# Altium PCB KIPGRDMCU.PcbDoc (part 2 of 2)
Units mm, origin at the board's own origin, x right, y up, seen from the top; angles counter-clockwise.
Board outline 110 x 75 mm, 4 copper layers (Top Layer, Layer 2, Layer 3, Bottom Layer), stack 1.513 mm thick; 117 components, 77 nets, 394 pads, 190 vias.
Unrouted connection lines stored in the file: 1.
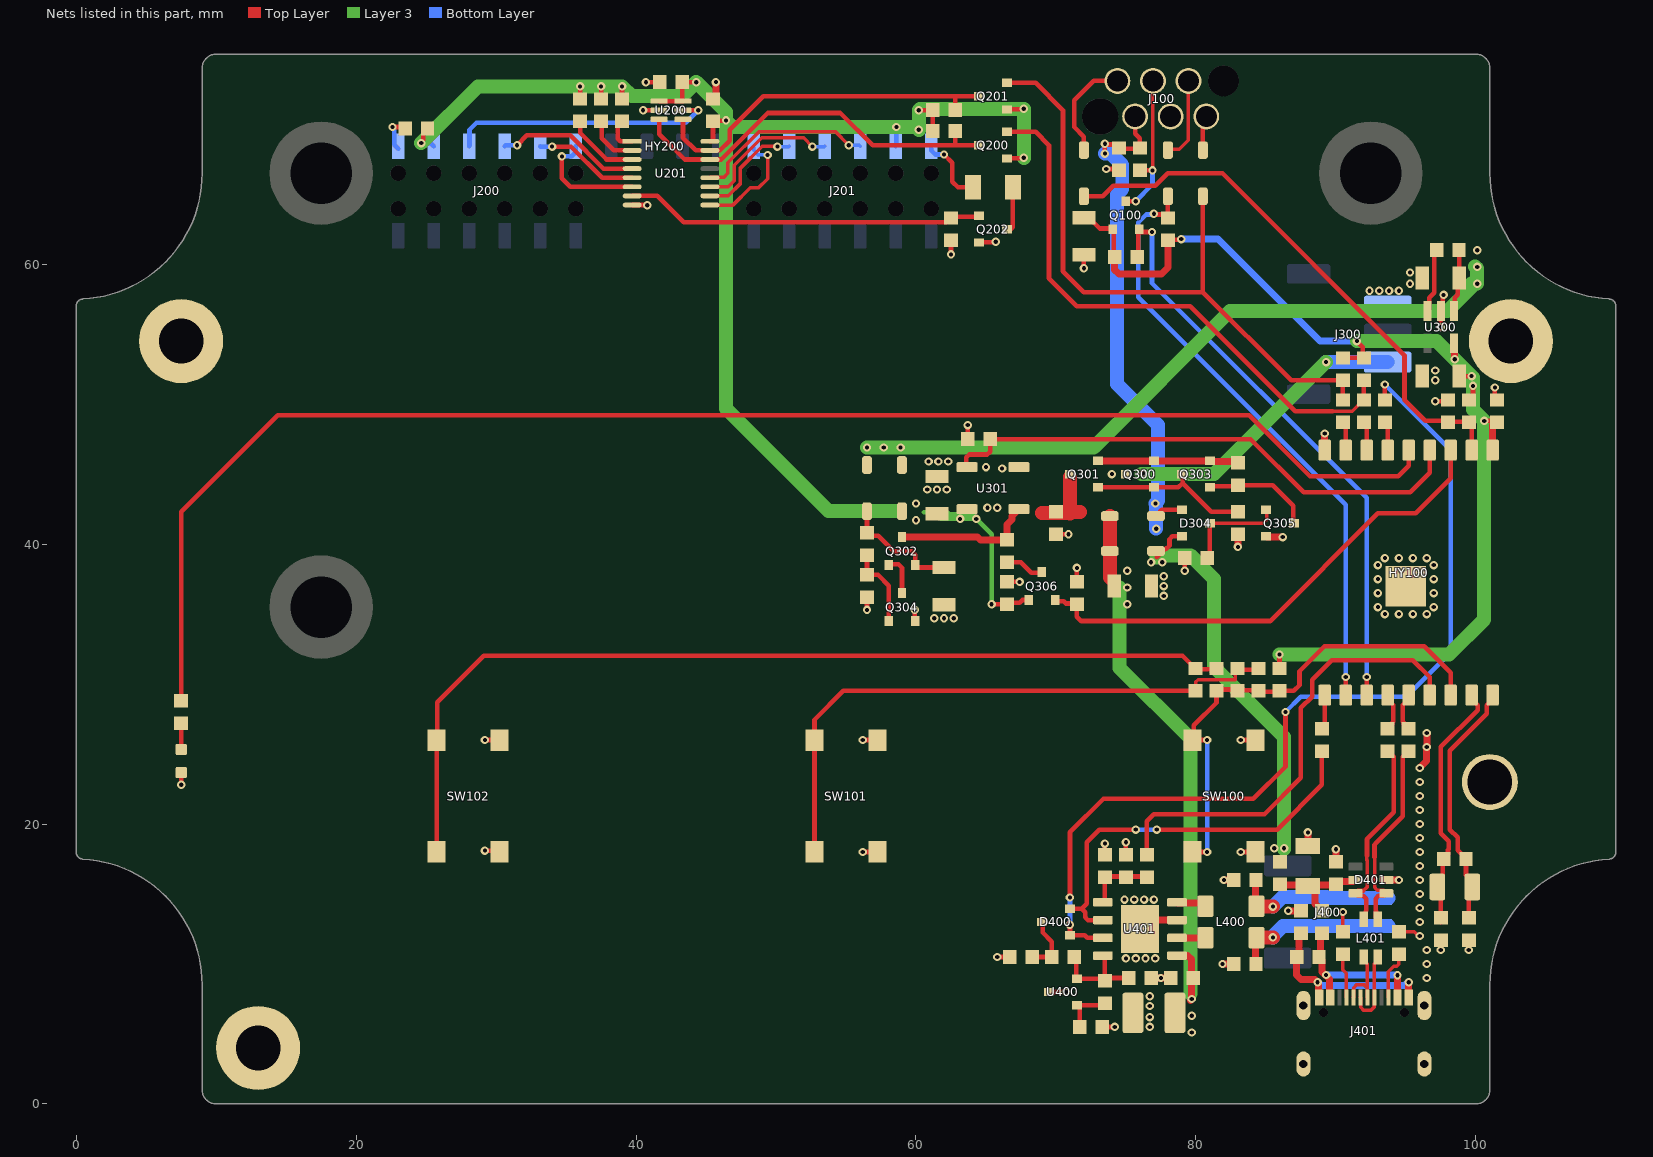
[diagram p4: the nets of this part, all layers, seen from the top]

## Part data (continued)
U300: library part CMP-019-00081-3, "Linear Voltage Regulator IC Positive Fixed 1 Output 1A SOT-25-5", Case/Package=SOT-23-5, Max Input Voltage=6V, Min Input Voltage=4V, Output Current=1A, Output Voltage=3.3V
U301: library part CMP-019-00086-6, "LDO Regulator Pos 5V 0.5A Automotive 6-Pin(5+Tab) SOT-89 T/R", Case/Package=SOT-89-5, Dropout Voltage=225mV, Max Input Voltage=24V, Min Input Voltage=4V, Nominal Output Voltage=5V, Output Current=500mA, Output Type=Fixed, Output Voltage=5V
U400: library part CMP-019-00078-4, "Adjustable Shunt Voltage Reference 1.24 - 16V; +/-0.5%; 3-Pin SOT-23", Case/Package=SOT-23-3, Cathode Current=80uA, Max Input Voltage=18V, Max Operating Temperature=85°C, Max Output current=20mA, Max Output Voltage=16V, Min Operating Temperature=-40°C, Min Output Voltage=1.24V, Package Quantity=3000, Tolerance=0.5%, Accuracy=0.5%, Halogen Free="Halogen Free", Height=1.01mm, Lead Free="Lead Free", Length=3.04mm, Mount="Surface Mount", Number of Channels=1, Number of Pins=3, Output Current=20mA, Output Type=Adjustable, Output Voltage=16V, Output voltage (max)=16V, Packaging="Tape and Reel", Radiation Hardening=No, Reach SVHC Compliant=Yes, Reference Type=Shunt,Adjustable, Reference Voltage=1.24V, RoHS Compliant=Yes, Series=-, Sink current=20mA, Width=1.4mm
U401: library part CMP-001-0029-2, "35-V, 3.7-A H-bridge motor driver with integrated current regulation & current-sense feedback 8-SO PowerPAD -40 to 150"
Y100: library part CMP-030-000070-2, "WE-XTAL Watch Crystal, SMT, CFPX-217, 32.768kHz, +/-20ppm", Frequency=32.768kHz, Frequency Stability=-, Frequency Tolerance=+/-20ppm, Load Capacitance=12.5pF, Manufacturer="Wurth Elektronik", Operating Temperature="-40 to +85degC", Component Type=Standard, ComponentLink1Description=Manufacturer, ComponentLink1URL=http://www.we-online.de, ComponentLink2Description=Datasheet, ComponentLink2URL=https://katalog.we-online.com/pbs/datasheet/830009678.pdf, Design Item ID=830009678, Manufacturer Part Number=830009678, Mounting Technology=SMT, Packaging="Tape and Reel", Pin Count=2, Published Date="July 2020", Size=CFPX-217, Source=WE-XTAL_CFPX-217.SchLib

## Free pads (board coordinates)
  round 6 hole 3.2: 1(7.5,54.5) 4(102.5,54.5) 5(13,4)
  round 4 hole 3.2: 6(101,23)

## Via types
v1: diameter 0.6, hole 0.3, Top Layer to Bottom Layer, tented both sides, 190 vias

## Nets (pads, with @x,y where several pads share a name; then routed paths per layer and width w, separated by ;. In a path a pad name is that pad's centre, name@x,y a point inside that pad or via, vN(x,y) a via of type N, cw(c..) or ccw(c..) an arc to the next point about the centre after c; other vN are vias at no path point)
+2V25: C401.1 R400.1 R401.2 U400.2 U401.4 | length 7.5
  Top Layer w0.33: R400.1@71.3,10.5 71.45,10.5 71.45,8.95 R401.2@73.5,8.95 ; U401.4@73.35,10.595 73.5,10.595 R401.2@73.5,9 ; R401.2@73.5,8.8 R401.2@73.5,8.95 ; C401.1@75.3,9 R401.2@73.5,9 ; R401.2@73.5,8.95 R401.2@73.5,9
+3V3: C100.2 C101.2 C301.1 HY100.1 Q100.1 R100.2 R101.2 R110.2 R114.2 R115.2 R116.2 U300.5 | length 80.4
  Top Layer w0.33: C301.1@72,63.325 72.35,63.325 73.125,62.55 74.05,62.55 74.125,62.475 74.125,60.575 R115.2@74.2,60.5 ; R114.2@78,61.7 78.045,61.745 78.905,61.745 v1(78.95,61.791) ; R110.2@85.969,31.111 v1(85.969,32.111) ; R116.2@90.5,53.3 R100.2@91.9,53.3 ; v1(91.5,54.5) 91.923,54.077 91.923,53.377 R100.2@92,53.3 ; C100.2@98.827,52.073 98.9,52 v1(99.7,52) ; R101.2@99.5,50.3 99.8,50.6 v1(99.8,51.3) ; v1(100.6,48.8) C101.2@101.5,48.8
  Top Layer w0.5: R115.2@74.2,60.5 74.2,59.593 74.493,59.3 77.551,59.3 78,59.749 R114.2@78,61.7 ; U300.5@98.45,54.349 98.481,54.319 98.481,53.219 v1(98.5,53.2) ; HY100.1@101.2,46.71 C101.2@101.2,48.5
  Layer 3 w1: v1(85.969,32.111) 98.084,32.111 100.6,34.627 v1(100.6,48.8) 99.8,49.6 v1(99.8,51.3) 99.8,51.891 98.5,53.191 v1(98.5,53.2) 97.2,54.5 v1(91.5,54.5)
  Bottom Layer w0.5: v1(78.95,61.791) 81.58,61.791 88.871,54.5 v1(91.5,54.5)
+5V: C200.2 C201.2 C202.2 C305.1 D301.2 HY200.2 HY200.15 J200.3 J201.9 Q200.1 Q201.1 Q306.1 R200.2 R201.2 R202.2 R203.2 R204.2 R308.1 U200.1 U200.6 U201.16 U301.5 | length 123.9
  Top Layer w0.33: v1(24.652,68.652) 24.652,68.725 24.79,68.863 24.79,69.39 C202.2@25.1,69.7 ; R202.2@36,71.8 v1(36,72.7) ; R203.2@37.5,71.8 v1(37.5,72.7) ; R204.2@39,71.8 v1(39,72.7) ; U200.1@41.649,71.65 U200.6@43.321,71.65 ; U200.6@43.351,71.65 U200.6@43.321,71.65 ; v1(44.3,73) C201.2@43.3,73 43.3,71.671 U200.6@43.321,71.65 ; U201.16@45.275,68.775 45.495,68.775 45.5,68.78 C200.2@45.5,70.2 45.535,70.235 46.395,70.235 v1(46.43,70.27) ; v1(60.2,71) R200.2@61.2,71 R201.2@61.2,69.5 ; v1(65.4,35.7) R308.1@66.5,35.7 66.607,35.807 67.4,35.807 67.593,36 Q306.1@68.05,36 ; Q200.1@66.45,67.55 66.475,67.575 67.675,67.575 v1(67.7,67.6) ; Q201.1@66.45,71.05 66.475,71.075 67.675,71.075 v1(67.7,71.1)
  Layer 3 w0.33: 60.575,42.275 61.4,42.275 61.975,42.275 62.225,42.275 62.7,41.8 ; 62.225,42.125 63.972,42.125 64.297,41.8 v1(64.3,41.8) ; v1(65.4,35.7) 65.4,40.7 v1(64.3,41.8) ; 62.3,41.8 62.7,41.8 ; 62.3,41.8 61.725,41.8 61.4,42.125 61.975,42.125 62.3,41.8 ; 62.7,41.8 v1(63.15,41.8) v1(64.3,41.8)
  Layer 3 w1: v1(24.652,68.652) 28.7,72.7 v1(37.5,72.7) v1(39,72.7) 39.7,72 43.3,72 v1(44.3,73) 46.43,70.87 v1(46.43,70.27) ; 58.66,42.35 53.75,42.35 46.43,49.67 v1(46.43,70.27) ; v1(67.7,67.6) v1(67.7,71.1) 60.3,71.1 v1(60.2,71) v1(60.2,69.6) 60,69.8 v1(58.6,69.8) 46.9,69.8 v1(46.43,70.27)
  Bottom Layer w0.33: v1(24.652,68.652) 25.318,68.652 HY200.2@25.54,68.43 ; HY200.15@58.56,68.43 58.58,68.45 58.58,69.78 v1(58.6,69.8)
  other v1: 60,41.7 60,42.9
BT: Q202.1 R206.2 U201.7 | length 25.8
  Top Layer w0.33: U201.7@39.725,64.875 41.525,64.875 43.409,62.991 62.191,62.991 R206.2@62.5,63.3 62.575,63.375 64.475,63.375 Q202.1@64.55,63.45
CC1: J401.A5 R405.2 | length 3.1
  Top Layer w0.25: R405.2@90.5,10.6 90.5,9.6 90.75,9.35 J401.A5@90.75,7.605
CC2: J401.B5 R404.2 | length 3.3
  Top Layer w0.25: J401.B5@93.75,7.605 93.75,9.434 94.141,9.825 94.354,9.825 94.5,9.971 R404.2@94.5,10.5
CONTRAST: HY200.3 J200.5 U200.5 | length 19.2
  Top Layer w0.33: U200.5@43.351,71 43.352,70.999 44.44,70.999 v1(44.441,70.998)
  Bottom Layer w0.33: HY200.3@28.08,68.43 28.1,68.45 28.1,69.6 28.6,70.1 43.544,70.1 v1(44.441,70.998)
D4: HY200.11 J201.1 U201.9 | length 8
  Top Layer w0.25: U201.9@45.275,64.225 46.925,64.225 48.15,65.45 48.75,65.45 49.4,66.1 v1(49.4,67.8)
  Bottom Layer w0.25: HY200.11@48.4,68.43 48.4,68.125 48.725,67.8 v1(49.4,67.8)
D5: HY200.12 J201.3 U201.10 | length 7.8
  Top Layer w0.25: U201.10@45.275,64.875 46.575,64.875 47.46,65.76 47.46,66.874 49.011,68.425 50.075,68.425 v1(50.1,68.4)
  Bottom Layer w0.25: v1(50.1,68.4) 50.91,68.4 HY200.12@50.94,68.43
D6: HY200.13 J201.5 U201.11 | length 10.6
  Top Layer w0.25: U201.11@45.275,65.525 46.589,65.525 47.01,65.946 47.01,67.06 48.975,69.025 51.975,69.025 v1(52.6,68.4)
  Bottom Layer w0.25: v1(52.6,68.4) 53.45,68.4 HY200.13@53.48,68.43
D7: HY200.14 J201.7 U201.12 | length 13
  Top Layer w0.25: U201.12@45.275,66.175 45.293,66.192 46.252,66.192 46.56,66.5 46.56,67.246 48.788,69.475 54.225,69.475 v1(55.2,68.5)
  Bottom Layer w0.25: v1(55.2,68.5) 55.95,68.5 HY200.14@56.02,68.43
E: HY200.6 J200.11 U201.6 | length 8.4
  Top Layer w0.33: v1(34.7,67.7) 34.7,66.13 35.305,65.525 U201.6@39.725,65.525
  Bottom Layer w0.33: v1(34.7,67.7) 35.415,67.7 35.7,67.985 HY200.6@35.7,68.43
EN5V: HY100.4 R307.1 U301.4 | length 38.6
  Top Layer w0.33: U301.4@63.6,45.5 63.6,46.207 63.793,46.4 65.1,46.4 65.3,46.6 R307.1@65.3,47.5 83.9,47.5 87.7,43.7 95.3,43.7 96.7,45.1 HY100.4@96.7,46.71
GND: C100.1 C101.1 C102.1 C105.1 C106.1 C107.1 C200.1 C201.1 C202.1 C300.2 C301.2 C302.1 C303.2 C304.2 C305.2 C400.2 C401.2 C402.1 C403.2 C404.1 C405.1 C406.1 C408.1 C409.1 D100.1 D401.2 FB402.2 HY100.0 HY100.9 HY200.1 J100.4 J200.1 J300.3 J401.S1 J401.S2 J401.S3 J401.S4 pad.1 pad.4 pad.5 pad.6 Q202.2 Q304.2 Q305.2 R206.1 R303.1 R304.1 R305.1 R307.2 R308.2 R309.2 R402.1 R403.1 R404.1 R405.1 SW100.B1 SW100.B2 SW101.B1 SW101.B2 SW102.B1 SW102.B2 U200.2 U201.8 U300.2 U301.2 U301.3 U400.3 U401.7 U401.9 | length 54.6
  Top Layer w0.25: R405.1@90.5,12.3 v1(90.5,13.712) ; R404.1@94.6,12.3 95.605,12.3 95.905,12 v1(96,12)
  Top Layer w0.33: v1(7.5,22.8) D100.1@7.5,23.675 ; v1(22.6,69.8) 23.4,69.8 C202.1@23.5,69.7 ; v1(29.2,18.1) 30.175,18.1 SW102.B1@30.25,18.025 ; v1(29.2,26) 30.225,26 SW102.B2@30.25,25.975 ; U201.8@39.725,64.225 39.727,64.223 40.787,64.223 v1(40.8,64.21) ; v1(40.5,71) U200.2@41.649,71 ; v1(40.7,73) C201.1@41.7,73 ; v1(56.2,18) 57.225,18 SW101.B1@57.25,18.025 ; v1(56.2,26) 57.225,26 SW101.B2@57.25,25.975 ; v1(56.5,35.3) R303.1@56.5,36.2 ; v1(59.9,35.3) 59.925,35.275 59.925,34.525 Q304.2@59.95,34.5 ; v1(62.5,60.7) R206.1@62.5,61.7 ; R307.2@63.7,47.5 v1(63.7,48.5) ; Q202.2@64.55,61.55 64.575,61.575 65.675,61.575 v1(65.7,61.6) ; v1(65.8,10.5) C400.2@66.7,10.5 ; R308.2@66.5,37.3 v1(67.4,37.3) ; U400.3@69.55,8 v1(70.7,8) ; C304.2@70,40.7 v1(70.9,40.7) ; R309.2@71.5,37.3 v1(71.5,38.3) ; v1(72,59.7) C301.2@72,60.675 ; R402.1@73.3,5.5 v1(74.2,5.5) ; C404.1@73.5,17.7 v1(73.5,18.6) ; v1(73.6,66.8) C105.1@74.5,66.8 ; R403.1@75,17.8 v1(75,18.7) ; v1(79.2,38.1) R305.1@79.2,39 ; v1(83.2,18) 83.765,18 SW100.B1@84.25,18.025 ; v1(83.2,26) 84.225,26 SW100.B2@84.25,25.975 ; v1(97.1,50.2) C102.1@98,50.2 ; v1(97.5,11) C106.1@97.5,11.8 ; v1(97.5,55.5) U300.2@97.5,56.651 97.623,56.773 97.623,57.65 97.7,57.727 v1(97.7,57.8) ; v1(99.5,11) C107.1@99.5,11.8 ; pad.4@101.1,53.5 pad.4@101.1,54.3 ; v1(101.362,51.19) 101.362,50.61 C101.1@101.5,50.2
  Top Layer w0.5: C200.1@45.5,71.8 45.707,72.025 v1(45.707,73.007) ; U401.9@76.5,13.1 76.535,13.135 U401.7@78.65,13.135 ; C401.2@76.7,9 v1(77.5,9) C403.2@78.3,9 ; v1(81.9,10) C406.1@82.8,10 ; v1(82,16) C405.1@82.8,16 ; v1(83,39.8) R304.1@83,40.7 ; Q305.2@85.05,40.55 85.081,40.519 86.181,40.519 v1(86.2,40.5) ; v1(86.6,13.8) FB402.2@87.5,13.8 ; C408.1@88,18.425 v1(88,19.4) ; HY100.9@89.2,46.71 v1(89.2,47.9) ; C409.1@90,17.3 v1(90,18.2) ; D401.2@93.6,16 v1(94.5,16) ; v1(96,24) 96,24.027 96.481,24.508 96.481,25.481 v1(96.5,25.5) v1(96.5,26.5) ; C100.1@96.187,51.713 C100.1@96.342,51.558 ; v1@97.073,51.7 v1(97.1,51.7)
  Bottom Layer w0.33: v1(22.6,69.8) 22.6,69.727 22.715,69.612 22.715,68.519 HY200.1@23,68.234
  other v1: 76.7,5.5 76.7,6.2 76.7,7 76.7,7.7 96.5,9 96.5,10 75,10.4 75.7,10.4 76.4,10.4 77.1,10.4 96.5,11 96,13 96,14 74.9,14.6 75.6,14.6 76.3,14.6 77,14.6 96,15 96,16 96,17 96,18 96,19 96,20 96,21 96,22 96,23 61.3,34.7 62,34.7 62.7,34.7 93.5,35 94.5,35 95.5,35 96.5,35 93,35.5 97,35.5 77.7,36.3 93,36.5 97,36.5 77.7,37 93,37.5 97,37.5 77.7,37.7 93,38.5 97,38.5 93.5,39 94.5,39 95.5,39 96.5,39 65.1,42.6 65.8,42.6 60.8,43.9 61.5,43.9 62.2,43.9 66.15,45.4 65,45.5 60.9,45.9 61.6,45.9 62.3,45.9 97.1,52.4 92.4,58.1 93.1,58.1 93.8,58.1 94.5,58.1 95.3,58.6 95.3,59.4
I2C.SCL: Q200.2 R100.1 R105.2 | length 41.3
  Top Layer w0.25: 89.784,49.494 89.79,49.5 91.175,49.5 91.975,50.3 R105.2@92,50.3
  Top Layer w0.33: Q200.2@66.45,69.45 68.55,69.45 69.5,68.5 69.5,59 71.5,57 79.6,57 87.106,49.494 89.784,49.494 ; R105.2@92,50.3 R100.1@92,51.7 R100.1@92.1,51.8
I2C.SDA: D103.2 Q201.2 R106.2 R116.1 | length 47.8
  Top Layer w0.33: Q201.2@66.45,72.95 68.55,72.95 70.5,71 70.5,59.5 72,58 80.5,58 ; D103.2@80.5,64.9 D103.2@80.5,64.85 80.5,58 ; R106.2@90.5,50.3 R116.1@90.5,51.6 ; R116.1@90.5,51.7 86.8,51.7 80.5,58
MOTOR.IN1: D400.1 R104.2 U401.3 | length 66.8
  Top Layer w0.33: v1(71,12.8) 71,12.1 70.95,12.05 72.05,12.05 72.235,11.865 U401.3@73.35,11.865 ; v1(71,14.75) 71,19.4 73.4,21.8 84.1,21.8 86.4,24.1 v1(86.4,28) ; R104.2@93.5,50.3 v1(93.5,51.4)
  Bottom Layer w0.33: v1(71,12.8) v1(71,14.75) ; v1(86.4,28) 87.5,29.1 95.04,29.1 98.2,32.26 98.2,46.7 v1(93.5,51.4)
MOTOR.IN2: D400.2 R107.2 U401.2 | length 28.7
  Top Layer w0.33: D400.2@70.95,13.95 71.85,13.95 ; U401.2@73.35,13.135 72.293,13.135 72.1,13.328 72.1,13.7 71.85,13.95 ; v1(75.7,19.6) 73.1,19.6 72.2,18.7 72.2,14.3 71.85,13.95 ; v1(77.2,19.6) 85.8,19.6 89,22.8 R107.2@89,25.2
  Bottom Layer w0.33: v1(75.7,19.6) v1(77.2,19.6)
MOTOR_GATE: Q300.1 Q301.1 Q303.3 R304.2 | length 11.8
  Top Layer w0.33: Q301.1@72.88,44.12 72.95,44.05 76.95,44.05 78.75,44.05 79.05,44.35 ; Q303.3@79.05,45 79.05,44.35 ; R304.2@83,42.3 81.1,42.3 79.05,44.35
NetC103_2: C103.2 R111.1 R112.2 SW101.A1 SW101.A2 | length 43.4
  Top Layer w0.25: R112.2@79.969,29.511 80,29.541 80,30.154 80.157,30.311 82.823,30.311 82.823,30.964 C103.2@82.969,31.111
  Top Layer w0.33: SW101.A1@52.75,18.025 SW101.A2@52.75,25.975 52.75,27.45 54.811,29.511 R112.2@79.969,29.511 ; C103.2@82.969,31.011 84.369,31.011 R111.1@84.469,31.111
NetC104_2: C104.2 R112.1 SW102.A1 SW102.A2 | length 68.2
  Top Layer w0.33: SW102.A1@25.75,18.025 SW102.A2@25.75,25.975 25.8,26.025 25.8,28.7 29.111,32.011 79.044,32.011 79.944,31.111 R112.1@79.969,31.111 80.019,31.061 81.419,31.061 C104.2@81.469,31.011
NetC300_1: C300.1 D300.1 D301.1 R301.1 U300.1 | length 53.8
  Top Layer w0.33: U300.1@98.45,56.651 98.5,56.701 98.5,57.6 98.7,57.8 98.7,58.5 C300.1@98.9,58.7 ; R301.1@98.8,61 98.812,60.988 98.812,59.187 C300.1@99,59
  Layer 3 w1: v1(56.5,46.9) v1(57.7,46.9) v1(58.9,46.9) 72.7,46.9 82.451,56.651 97.965,56.651 99.675,58.361 99.675,58.6 ; v1@99.95,59.838 100.1,59.688 v1(100.1,58.6)
  other v1: 100.1,59.8 100.1,61
NetC302_2: C302.2 D300.2 Q302.2 R302.2 | length 8.3
  Top Layer w0.33: D300.2@56.5,42.35 R302.2@56.5,40.8 56.702,40.598 57.302,40.598 58.4,39.5 59.7,39.5 59.95,39.25 Q302.2@59.95,38.5 ; Q302.2@60.085,38.325 C302.2@62,38.325
NetC400_1: C400.1 D400.3 R400.2 | length 4.3
  Top Layer w0.33: C400.1@68.2,10.5 R400.2@69.7,10.5 69.7,11.6 69.05,12.25 D400.3@69.05,13
NetC405_2: C405.2 J400.2 L400.4 | length 11.4
  Top Layer w0.5: C405.2@84.2,16 84.262,15.938 84.262,14.187 L400.4@84.325,14.125
  Top Layer w1: L400.4@84.6,14.1 v1(85.5,14.1)
  Bottom Layer w1: v1(85.5,14.1) 85.6,14.2 85.6,14.214 86.186,14.8 89.324,14.8 89.412,14.712 J400.2@93.75,14.712
NetC406_2: C406.2 J400.1 L400.1 | length 11.3
  Top Layer w0.5: C406.2@84.2,10 84.262,10.062 84.262,11.538 L400.1@84.2,11.6
  Top Layer w1: L400.1@84.5,11.9 v1(85.5,11.9)
  Bottom Layer w1: v1(85.5,11.9) 85.5,12 86.212,12.712 J400.1@93.75,12.712
NetC408_2: C408.2 C409.2 D401.5 FB400.2 FB401.1 | length 6.8
  Top Layer w0.5: FB401.1@86,15.7 86.062,15.637 88.238,15.637 C408.2@88.4,15.8 ; C408.2@88.4,15.637 89.938,15.637 C409.2@90,15.7 ; C408.2@88.5,15.1 88.5,14.3 88.75,14.05 88.75,14.025 88.975,13.8 FB400.2@89,13.8 ; C409.2@90.25,15.9 91.3,15.9 D401.5@91.4,16
NetD100_2: D100.2 R103.2 | length 1.9
  Top Layer w0.33: D100.2@7.5,25.325 R103.2@7.5,27.2
NetD101_1: D101.1 J100.1 | length 7.5
  Top Layer w0.33: D101.1@72,68.15 72,69.1 71.3,69.8 71.3,71.7 72.69,73.09 J100.1@74.39,73.09
NetD102_1: D102.1 J100.5 | length 6
  Top Layer w0.25: D102.1@78,68.2 78.8,68.2 79.45,68.85 79.45,70.28 79.47,70.3 J100.5@79.47,73.09
NetD103_1: D103.1 J100.6 | length 2.9
  Top Layer w0.33: D103.1@80.5,68.15 80.5,70.3 J100.6@81,70.8
NetD304_3: D304.3 Q305.1 R305.2 | length 7.5
  Top Layer w0.25: D304.3@80.95,41.5 84.8,41.5 85.05,41.75 Q305.1@85.05,42.45
  Top Layer w0.33: R305.2@80.8,39 81,39.2 D304.3@81,41.5
NetHY100_5: HY100.5 R103.1 | length 107.2
  Top Layer w0.33: R103.1@7.3,29.1 R103.1@7.4,29 ; R103.1@7.5,29 7.5,42.3 14.4,49.2 83.8,49.2 88.153,44.847 94.447,44.847 95.2,45.6 HY100.5@95.2,46.71
NetHY100_6: HY100.6 R104.1 | length 1.9
  Top Layer w0.33: R104.1@93.6,48.6 93.7,48.5 HY100.6@93.7,46.71
NetHY100_7: HY100.7 R105.1 | length 1.9
  Top Layer w0.33: R105.1@92,48.5 92.09,48.5 92.2,48.39 HY100.7@92.2,46.71
NetHY100_8: HY100.8 R106.1 | length 2.1
  Top Layer w0.33: R106.1@90.5,48.7 90.7,48.5 HY100.8@90.7,46.71
NetHY100_10: HY100.10 R107.1 | length 2.5
  Top Layer w0.33: R107.1@89,26.8 89.2,27 HY100.10@89.2,29.21
NetHY100_15: HY100.15 R102.1 | length 32.8
  Top Layer w0.33: R102.1@76.5,17.8 76.5,20.2 77,20.7 84.9,20.7 87.5,23.3 87.5,28.3 88.3,29.1 88.3,30.3 89.7,31.7 95.5,31.7 96.7,30.5 HY100.15@96.7,29.21
NetHY200_16: HY200.16 J201.11 R205.2 | length 5.2
  Top Layer w0.33: v1(62,67.835) 62.6,67.235 62.6,65.9 63,65.5 R205.2@64.075,65.5
  Bottom Layer w0.33: HY200.16@61.1,68.43 61.1,68.12 61.385,67.835 v1(62,67.835)
NetJ100_3: J100.3 Q100.3 R117.1 | length 10.6
  Top Layer w0.25: v1(76.9,66.7) 76.915,66.715 76.915,73.075 J100.3@76.93,73.09
  Top Layer w0.33: Q100.3@75.1,64.5 v1(75.7,64.5) ; R117.1@76,66.7 v1(76.9,66.7)
  Bottom Layer w0.33: v1(75.7,64.5) 76.9,65.7 v1(76.9,66.7)
NetJ300_1: J300.1 Q300.3 | length 22.8
  Top Layer w0.5: Q300.3@75.05,45 Q300.3@75.081,45.031 ; v1@76.199,45.031 v1(76.218,45.05)
  Layer 3 w1: v1@76.118,45 80.3,45 ; 78.5,45 81.3,45 v1(89.3,53)
  Bottom Layer w1: v1(89.3,53) J300.1@93.7,53
  other v1: 74,45
NetL400_2: L400.2 U401.6 | length 2
  Top Layer w0.5: U401.6@78.65,11.865 78.655,11.87 80.67,11.87 L400.2@80.675,11.875
NetL400_3: L400.3 U401.8 | length 2.1
  Top Layer w0.5: U401.8@78.65,14.405 78.7,14.355 80.445,14.355 L400.3@80.675,14.125
NetQ202_3: Q202.3 R205.1 | length 3.4
  Top Layer w0.33: Q202.3@66.45,62.5 66.79,62.5 66.925,62.635 R205.1@66.925,65.5
NetQ300_2: Q300.2 Q301.2 Q303.2 R300.2 | length 10.3
  Top Layer w0.5: Q301.2@72.9,45.9 72.95,45.95 76.95,45.95 80.95,45.95 81,45.9 82.9,45.9 R300.2@83,45.8 R300.2@83.1,45.9
NetQ302_1: Q302.1 Q304.3 | length 2.9
  Top Layer w0.33: Q302.1@58.05,38.55 58.75,38.55 58.9,38.4 59,38.3 Q304.3@59,36.45
NetQ303_1: Q303.1 Q305.3 R300.1 | length 7.9
  Top Layer w0.33: Q303.1@80.95,44.05 81.025,44.125 82.925,44.125 R300.1@83,44.2 85.5,44.2 86.95,42.75 Q305.3@86.95,41.5
NetQ304_1: Q304.1 R302.1 R303.2 | length 5.8
  Top Layer w0.33: R302.1@56.5,39.2 R303.2@56.5,37.8 57.284,37.8 58.05,37.034 Q304.1@58.05,34.55
NetQ306_3: Q306.3 R306.1 | length 2.8
  Top Layer w0.33: R306.1@66.5,38.7 67.5,38.7 68.25,37.95 Q306.3@69,37.95
NetR202_1: R202.1 U201.3 | length 5.3
  Top Layer w0.33: R202.1@36,70.2 36,69.368 37.893,67.475 U201.3@39.725,67.475
NetR203_1: R203.1 U201.2 | length 3.8
  Top Layer w0.33: R203.1@37.5,70.2 37.538,70.162 37.538,69 38.413,68.125 U201.2@39.725,68.125
NetR204_1: R204.1 U201.1 | length 2.5
  Top Layer w0.33: R204.1@39,70.2 38.69,69.89 38.69,68.968 38.883,68.775 U201.1@39.725,68.775
NetR301_2: R301.2 U300.3 | length 4.4
  Top Layer w0.33: U300.3@96.55,56.651 96.673,56.773 96.673,57.607 97.035,57.969 97.035,60.665 97.17,60.8 R301.2@97.2,60.8
NetR401_1: R401.1 R402.2 U400.1 | length 3.8
  Top Layer w0.33: U400.1@71.45,7.05 U400.1@71.7,7.05 ; R402.2@71.7,5.5 U400.1@71.7,7.05 ; R401.1@73.5,7.2 73.5,7.05 U400.1@71.7,7.05
  Top Layer w0.5: R402.2@71.6,5.5 R402.2@71.7,5.5
RS: HY200.4 J200.7 U201.4 | length 10.4
  Top Layer w0.33: v1(31.5,68.5) 32.2,69.2 35.3,69.2 37.675,66.825 U201.4@39.725,66.825
  Bottom Layer w0.33: HY200.4@30.62,68.43 30.69,68.5 v1(31.5,68.5)
RST: C102.2 D101.2 HY100.2 R101.1 | length 39.5
  Top Layer w0.33: D101.2@71.95,64.85 73.35,64.85 74.1,65.6 77.1,65.6 78,66.5 81.9,66.5 94.9,53.5 94.9,50.3 96.4,48.8 97.9,48.8 97.95,48.75 99.45,48.75 R101.1@99.5,48.7 ; R101.1@99.45,48.65 99.7,48.4 HY100.2@99.7,46.71
RW: HY200.5 J200.9 U201.5 | length 7.5
  Top Layer w0.33: v1(34,68.4) 35.35,68.4 37.575,66.175 U201.5@39.725,66.175
  Bottom Layer w0.33: HY200.5@33.16,68.43 33.19,68.4 v1(34,68.4)
SCL_5V: Q200.3 R201.1 U200.3 U201.14 | length 28.1
  Top Layer w0.33: U200.3@41.649,70.35 41.661,70.338 41.661,69.294 43.48,67.475 U201.14@45.275,67.475 45.277,67.477 46.098,67.477 49.42,70.8 54.6,70.8 56.9,68.5 62.748,68.5 ; R201.1@62.8,69.5 62.8,68.552 62.748,68.5 ; Q200.3@64.55,68.5 62.748,68.5
SDA_5V: Q201.3 R200.1 U200.4 U201.15 | length 26.1
  Top Layer w0.33: U200.4@43.351,70.35 43.351,69.029 44.255,68.125 U201.15@45.275,68.125 45.277,68.127 45.998,68.127 46.7,68.829 46.7,69.6 49.1,72 62.719,72 ; R200.1@62.8,71 62.8,71.919 62.719,72 ; Q201.3@64.705,72 64.55,72 62.719,72
SNS_BUTTON: C103.1 C104.1 HY100.16 R110.1 R111.2 SW100.A1 SW100.A2 | length 35.3
  Top Layer w0.33: SW100.A1@79.75,18.025 79.775,18 v1(80.8,18) ; v1(80.8,26) 79.928,26 79.852,26.077 79.852,27.052 81.469,28.669 81.469,29.611 82.969,29.611 83.019,29.561 84.419,29.561 R111.2@84.469,29.511 ; R111.2@84.469,29.462 R110.1@85.969,29.462 ; R110.1@85.969,29.511 86.989,29.511 87.4,29.921 87.4,30.914 89.186,32.7 96.3,32.7 98.2,30.8 HY100.16@98.2,29.21
  Bottom Layer w0.33: v1(80.8,18) v1(80.8,26)
SNS_MOTOR_CURRENT: C404.2 R102.2 R403.2 U401.1 | length 5
  Top Layer w0.33: U401.1@73.35,14.405 73.365,14.405 73.5,14.54 73.5,16.3 73.55,16.25 76.45,16.25 R102.2@76.5,16.2
SNS_VBAT: HY100.3 Q306.2 R309.1 | length 35.6
  Top Layer w0.33: Q306.2@69.95,36 70.045,35.905 70.545,35.905 70.698,35.752 71.448,35.752 R309.1@71.5,35.7 71.5,34.8 71.8,34.5 85.3,34.5 93,42.2 95.7,42.2 98.2,44.7 HY100.3@98.2,46.71
UART.RX: D102.2 HY100.11 R114.1 | length 43.8
  Top Layer w0.33: v1(77,63.6) 77.052,63.548 77.852,63.548 78,63.4 D102.2@78,64.8 ; HY100.11@90.7,29.21 v1(90.7,30.5)
  Bottom Layer w0.33: v1(77,63.6) 76.948,63.548 76.448,63.548 75.875,62.975 75.875,57.625 90.7,42.8 v1(90.7,30.5)
UART.TX: HY100.12 Q100.2 R115.1 | length 42.4
  Top Layer w0.33: R115.1@75.8,60.5 75.875,60.575 Q100.2@75.875,62.55 ; Q100.2@75.95,62.55 75.95,62.434 76.085,62.299 v1(76.865,62.299) ; HY100.12@92.2,29.4 v1(92.2,30.5)
  Bottom Layer w0.33: v1(76.865,62.299) 76.865,58.635 92.2,43.3 v1(92.2,30.5)
USB.D_N: J401.A7 J401.B7 L401.1 | length 5.5
  Top Layer w0.25: J401.B7@91.25,7.605 91.275,7.63 91.275,8.31 91.465,8.5 92.035,8.5 92.225,8.31 92.225,7.63 J401.A7@92.25,7.605 92.25,10 92,10.25 L401.1@92,10.5
USB.D_P: J401.A6 J401.B6 L401.4 | length 5.5
  Top Layer w0.25: J401.A6@91.75,7.605 91.775,7.58 91.775,6.9 91.965,6.71 92.535,6.71 92.725,6.9 92.725,7.58 J401.B6@92.75,7.605 92.75,10 93,10.25 L401.4@93,10.5
USB.GND: C407.1 FB402.1 J401.A12/B1 J401.B12/A1 | length 13.1
  Top Layer w0.5: C407.1@87.2,10.3 87.2,9.2 87.5,8.9 v1@88.507,8.9 ; C407.1@87.4,10.7 87.35,10.75 87.35,12.05 FB402.1@87.5,12.2 ; v1(88.691,8.693) 88.691,8.666 88.75,8.607 88.75,7.655 J401.B12/A1@88.8,7.605 ; J401.A12/B1@95.2,7.605 v1(95.2,8.7)
  Bottom Layer w0.5: v1(88.691,8.693) 88.718,8.693 88.961,8.45 94.923,8.45 95.173,8.7 v1(95.2,8.7)
USB.VUSB: C407.2 FB400.1 J401.A4/B9 J401.B4/A9 | length 10.9
  Top Layer w0.5: FB400.1@88.9,12.3 88.9,10.6 C407.2@88.8,10.5 89.025,10.275 89.025,9.436 v1@89.274,9.186 ; v1(89.3,9.212) 89.3,9.185 89.55,8.935 J401.A4/B9@89.55,8.1 ; J401.B4/A9@94.4,8 v1(94.4,9.2)
  Bottom Layer w0.5: v1(89.3,9.212) 94.388,9.212 v1(94.4,9.2)
USB_N: HY100.13 R108.1 | length 2.8
  Top Layer w0.33: R108.1@93.7,26.8 93.725,26.8 94.035,27.11 94.035,27.228 94.11,27.303 94.11,28.5 93.7,28.91 HY100.13@93.7,29.21
USB_P: HY100.14 R109.1 | length 2.8
  Top Layer w0.33: R109.1@95.2,26.8 95.175,26.8 94.865,27.11 94.865,27.228 94.79,27.303 94.79,28.5 95.2,28.91 HY100.14@95.2,29.21
USBDATA.D_N: D401.6 L401.2 R108.2 | length 14.2
  Top Layer w0.25: 91.967,15.235 92.225,15.493 92.225,17.394 92.22,17.399 92.22,17.75
  Top Layer w0.33: 91.967,15.235 91.585,15.235 D401.6@91.4,15.05 91.585,14.865 91.967,14.865 92.16,14.672 92.16,13.8 92.135,13.775 92.135,13.335 L401.2@92,13.2 ; 92.22,17.75 92.22,18.835 92.22,18.92 94.13,20.83 94.13,24.795 93.725,25.2 R108.2@93.7,25.2
USBDATA.D_P: D401.1 L401.3 R109.2 | length 14.1
  Top Layer w0.25: 92.76,17.622 92.765,17.617 92.765,15.463 92.953,15.275 93.375,15.275 D401.1@93.415,15.235
  Top Layer w0.33: 92.76,17.622 92.76,18.515 ; 92.8,18.595 94.77,20.565 94.77,24.795 95.175,25.2 R109.2@95.2,25.2 ; L401.3@93,13.2 92.865,13.335 92.865,13.775 92.84,13.8 92.84,14.672 93.033,14.865 93.415,14.865 D401.1@93.6,15.05 D401.1@93.415,15.235
VDBG: C105.2 D302.2 D304.1 J100.2 R117.2 | length 36
  Top Layer w0.33: v1(73.5,67.9) v1(73.5,68.6) 73.552,68.548 74.252,68.548 C105.2@74.5,68.3 ; C105.2@74.55,68.25 R117.2@75.95,68.25 ; J100.2@75.66,70.55 75.677,70.533 75.677,69.323 76,69 R117.2@76,68.7 ; R117.2@75.9,68.3 R117.2@75.95,68.25 ; R117.2@76,68.3 R117.2@75.95,68.25 ; 77.467,42.351 77.467,42.364 77.553,42.45 D304.1@79.05,42.45
  Bottom Layer w1: v1(73.5,67.9) 73.914,67.9 74.737,67.077 74.737,65.357 74.35,64.97 74.35,51.45 77.3,48.5 77.3,43.097 v1(77.103,42.9) 77.164,42.839 v1(77.164,41.1)
VMOTOR: C303.1 C304.1 C402.2 C403.1 D302.1 D303.1 Q301.3 Q302.3 R306.2 U301.1 U401.5 | length 56.5
  Top Layer w0.5: Q302.3@59,40.5 64.4,40.5 64.6,40.3 66.35,40.3 66.425,40.375 R306.2@66.5,40.3 66.5,41.4 66.85,41.75 66.85,42 U301.1@67.35,42.5 ; U401.5@78.65,10.595 78.655,10.6 79.407,10.6 79.7,10.307 C403.1@79.7,9.1 ; v1@79.6,7.4 v1(79.7,7.5) C403.1@79.7,9
  Top Layer w1: 69,42.224 70.939,42.224 71.014,42.3 ; C304.1@70,42.3 71.604,42.277 71.718,42.276 ; 71.014,42.2 Q301.3@71.014,44.8 ; D302.1@73.85,42.02 D303.1@73.85,39.5 73.85,37.625 C303.1@74.15,37.325
  Layer 3 w1: 74.55,36.9 74.55,31.15 79.6,26.1 79.6,7.9
  other v1: 79.7,5.1 79.7,6.3 75.1,35.7 75.1,36.9 75.1,38.1
VUSB: D303.2 D304.2 FB401.2 | length 29.2
  Top Layer w0.33: D303.2@77.15,39.5 77.336,39.5 D303.2@77.422,39.5 ; 77.2,39.051 D303.2@77.443,39.293 ; D303.2@77.536,39.387 77.835,39.686 77.922,39.686 78.115,39.88 78.115,40.357 78.308,40.55 D304.2@79.05,40.55
  Top Layer w0.5: D303.2@77.286,39.45 D303.2@77.336,39.5
  Layer 3 w1: 77.2,39.051 77.349,39.2 79.6,39.2 81.3,37.5 81.3,31.205 86.3,26.205 v1@86.3,18.2
  other v1: 85.6,18.262 86.3,18.262 76.8,38.7 77.6,38.7
XTAL.X_N: C106.2 HY100.17 R113.1 Y100.1 | length 17.5
  Top Layer w0.33: Y100.1@97.25,15.5 97.5,15.25 97.5,13.2 C106.2@97.5,13 ; Y100.1@97.5,16 97.635,16.135 97.635,17.435 R113.1@97.7,17.5 98.01,17.81 98.01,18.15 98.06,18.2 98.06,18.775 97.5,19.335 97.5,25.505 100.13,28.135 100.13,28.48 99.7,28.91 HY100.17@99.7,29.21
XTAL.X_P: C107.2 HY100.18 R113.2 Y100.2 | length 17.1
  Top Layer w0.33: C107.2@99.5,13.5 99.5,15.25 Y100.2@99.75,15.5 ; Y100.2@99.5,16 99.5,16.15 99.3,16.35 R113.2@99.3,17.5 99.3,17.525 98.7,18.125 98.7,19.04 98.14,19.6 98.14,25.24 100.77,27.87 100.77,28.48 101.2,28.91 HY100.18@101.2,29.21
pads on no net: D401.3 D401.4 HY200.7 HY200.8 HY200.9 HY200.10 J100.MH1 J100.MH2 J200.2 J200.4 J200.6 J200.8 J200.10 J200.12 J200.MH1 J200.MH2 J200.MH3 J200.MH4 J200.MH5 J200.MH6 J200.MH7 J200.MH8 J200.MH9 J200.MH10 J200.MH11 J200.MH12 J201.2 J201.4 J201.6 J201.8 J201.10 J201.12 J201.MH1 J201.MH2 J201.MH3 J201.MH4 J201.MH5 J201.MH6 J201.MH7 J201.MH8 J201.MH9 J201.MH10 J201.MH11 J201.MH12 J300.2 J300.MP1 J300.MP2 J400.MP1 J400.MP2 J401.A8 J401.B8 J401.MH1 J401.MH2 MP200.1 MP201.1 MP202.1 U201.13 U300.4

## Polygon pours and split planes (outlines as drawn)
GND on Layer 2 "NONET_L-01_P-001" (solid, remove dead copper, pour order 1): 0.479,17.487 cw(c0.501,17.988) 0,18.011 0,56.989 cw(c0.5,57.01) 0.479,57.51 0.479,57.513 ccw(c0,66.5) 9,66.5 9,74 cw(c10,74) 10,75 100,75 cw(c100,74) 101,74 101,66.5 ccw(c110,66.5) 109.521,57.513 109.521,57.51 cw(c109.5,57.01) 110,56.989 110,18.011 cw(c109.5,17.99) 109.521,17.49 109.521,17.487 ccw(c110,8.5) 101,8.5 101,1 cw(c100,1) 100,0 10,0 cw(c10,1) 9,1 9,8.5 ccw(c0,8.5)
GND on Top Layer "NONET_L-01_P-001" (solid, remove dead copper, pour order 0): 69.75,42.2 69.75,44.5 68.1,44.5 68.1,46.5 60.25,46.5 60.25,42.2

## Keep-outs
Top Layer:
  region: 105.7,58.425 105.7,53 102.3,49.6 102.3,26.2 104.5,24 104.5,16 107,17.49 109.5,17.99 109.5,57
Layer 2:
  region: 105.7,58.425 105.7,53 102.3,49.6 102.3,26.2 104.5,24 104.5,16 107,17.49 109.5,17.99 109.5,57
Layer 3:
  region: 105.7,58.425 105.7,53 102.3,49.6 102.3,26.2 104.5,24 104.5,16 107,17.49 109.5,17.99 109.5,57
Bottom Layer:
  region: 105.7,58.425 105.7,53 102.3,49.6 102.3,26.2 104.5,24 104.5,16 107,17.49 109.5,17.99 109.5,57

## Other copper
Top Layer:
  rectangle net GND: 96.2,6.6 96.8,11.3
  rectangle net GND: 95.7,11.7 96.3,24.1
  rectangle net GND: 60.9,34.3 63.1,36.2
  rectangle net GND: 94.9,58.1 96.65,59.825
  rectangle net GND: 95.7,51.2 97.5,52.825
  rectangle net GND: 74.5,10 77.5,15
  rectangle net +5V: 58.5,41.45 64.3,42.8
  rectangle net +5V: 58.5,41.45 62.65,43.1
  rectangle net NetC300_1: 56.1,45 59.8,47.3
  rectangle net VMOTOR: 66.6,41.6 74.7,42.9
  rectangle net VUSB: 76.4,38.393 78,39.851
  rectangle net VUSB: 85.2,17.712 86.725,18.8
  rectangle net VMOTOR: 73.6,35.4 75.5,38.4
  rectangle net GND: 76.3,35.9 78.1,38
  rectangle net NetJ300_1: 73.618,44.65 76.618,45.35
  rectangle net VDBG: 76.522,40.75 77.779,43.25
  rectangle net VDBG: 72.9,67.5 75.25,69
  rectangle net GND: 92.5,34.5 97.5,39.5
  rectangle net NetC300_1: 98.8,58.2 100.6,61.5
  rectangle net VMOTOR: 77.7,4.8 80.1,8
  region net GND: 95.7,11.7 96.2,11.3 96.8,11.3 96.3,11.7
  region net GND: 76.2,9.5 78.7,9.5 78.7,8.2 77,8.2 77,5 74.7,5 74.7,8.2 76.2,8.2
Layer 3:
  rectangle net +5V: 62.5,41.45 64.583,42.8
  rectangle net +5V: 58.5,41.45 62.65,43.183
  rectangle net NetC300_1: 56.2,46.5 59.8,47.3
  rectangle net VUSB: 76.4,38.393 78,39.851
  rectangle net VUSB: 85.2,17.712 86.725,18.8
  rectangle net VMOTOR: 73.6,35.417 75.5,38.383
  rectangle net VMOTOR: 79.062,5 80.1,7.95
  rectangle net NetJ300_1: 73.618,44.65 76.618,45.35
  rectangle net NetC300_1: 99.3,58.175 100.6,61.5
Bottom Layer:
  rectangle net GND: 92,56.1 95.5,58.4
  rectangle net VDBG: 76.618,40.55 77.718,43.25
  rectangle net VDBG: 72.9,67.5 74.119,69

## Silkscreen, mask and mechanical layers (free items; w line width, h text height)
Top Overlay:
  text ".board_name" at 28,6 h2
  text ".project_revision" at 28,4 h2
Board Outline:
  lines w0.1: 0.479,17.487 cw(c0,8.5) 9,8.5 9,1 ccw(c10,1) 10,0 100,0 ccw(c100,1) 101,1 101,8.5 cw(c110,8.5) 109.521,17.487 ; 0.479,57.513 ccw(c0,66.5) 9,66.5 9,74 cw(c10,74) 10,75 100,75 cw(c100,74) 101,74 101,66.5 ccw(c110,66.5) 109.521,57.513 ; 0.479,17.49 cw(c0.5,17.99) 0,18.011 0,56.989 cw(c0.5,57.01) 0.479,57.51 ; 109.521,17.49 ccw(c109.5,17.99) 110,18.011 110,56.989 ccw(c109.5,57.01) 109.521,57.51

## Text inside footprints (layer, text, board x,y; h text height)
HY200: Top Component Center "1" at 22,66 h2
J200: Bottom Overlay "2" at 21.37,62.23 h1.02 r180; Bottom Overlay "1" at 21.67,69.23 h1.02 r180; Bottom Overlay "12" at 36.63,62.23 h1.02 r180; Bottom Overlay "11" at 36.63,69.23 h1.02 r180
J201: Bottom Overlay "2" at 46.77,62.23 h1.02 r180; Bottom Overlay "1" at 47.07,69.23 h1.02 r180; Bottom Overlay "12" at 62.03,62.23 h1.02 r180; Bottom Overlay "11" at 62.03,69.23 h1.02 r180